# Altium PCB PV Refridgerator v0.1.2.PCBDOC (part 2 of 2)
Units mil, origin at the board's own origin, x right, y up, seen from the top; angles counter-clockwise.
Board outline 6000 x 6000 mil, 2 copper layers (Top Layer, Bottom Layer); 126 components, 96 nets, 356 pads, 106 vias.
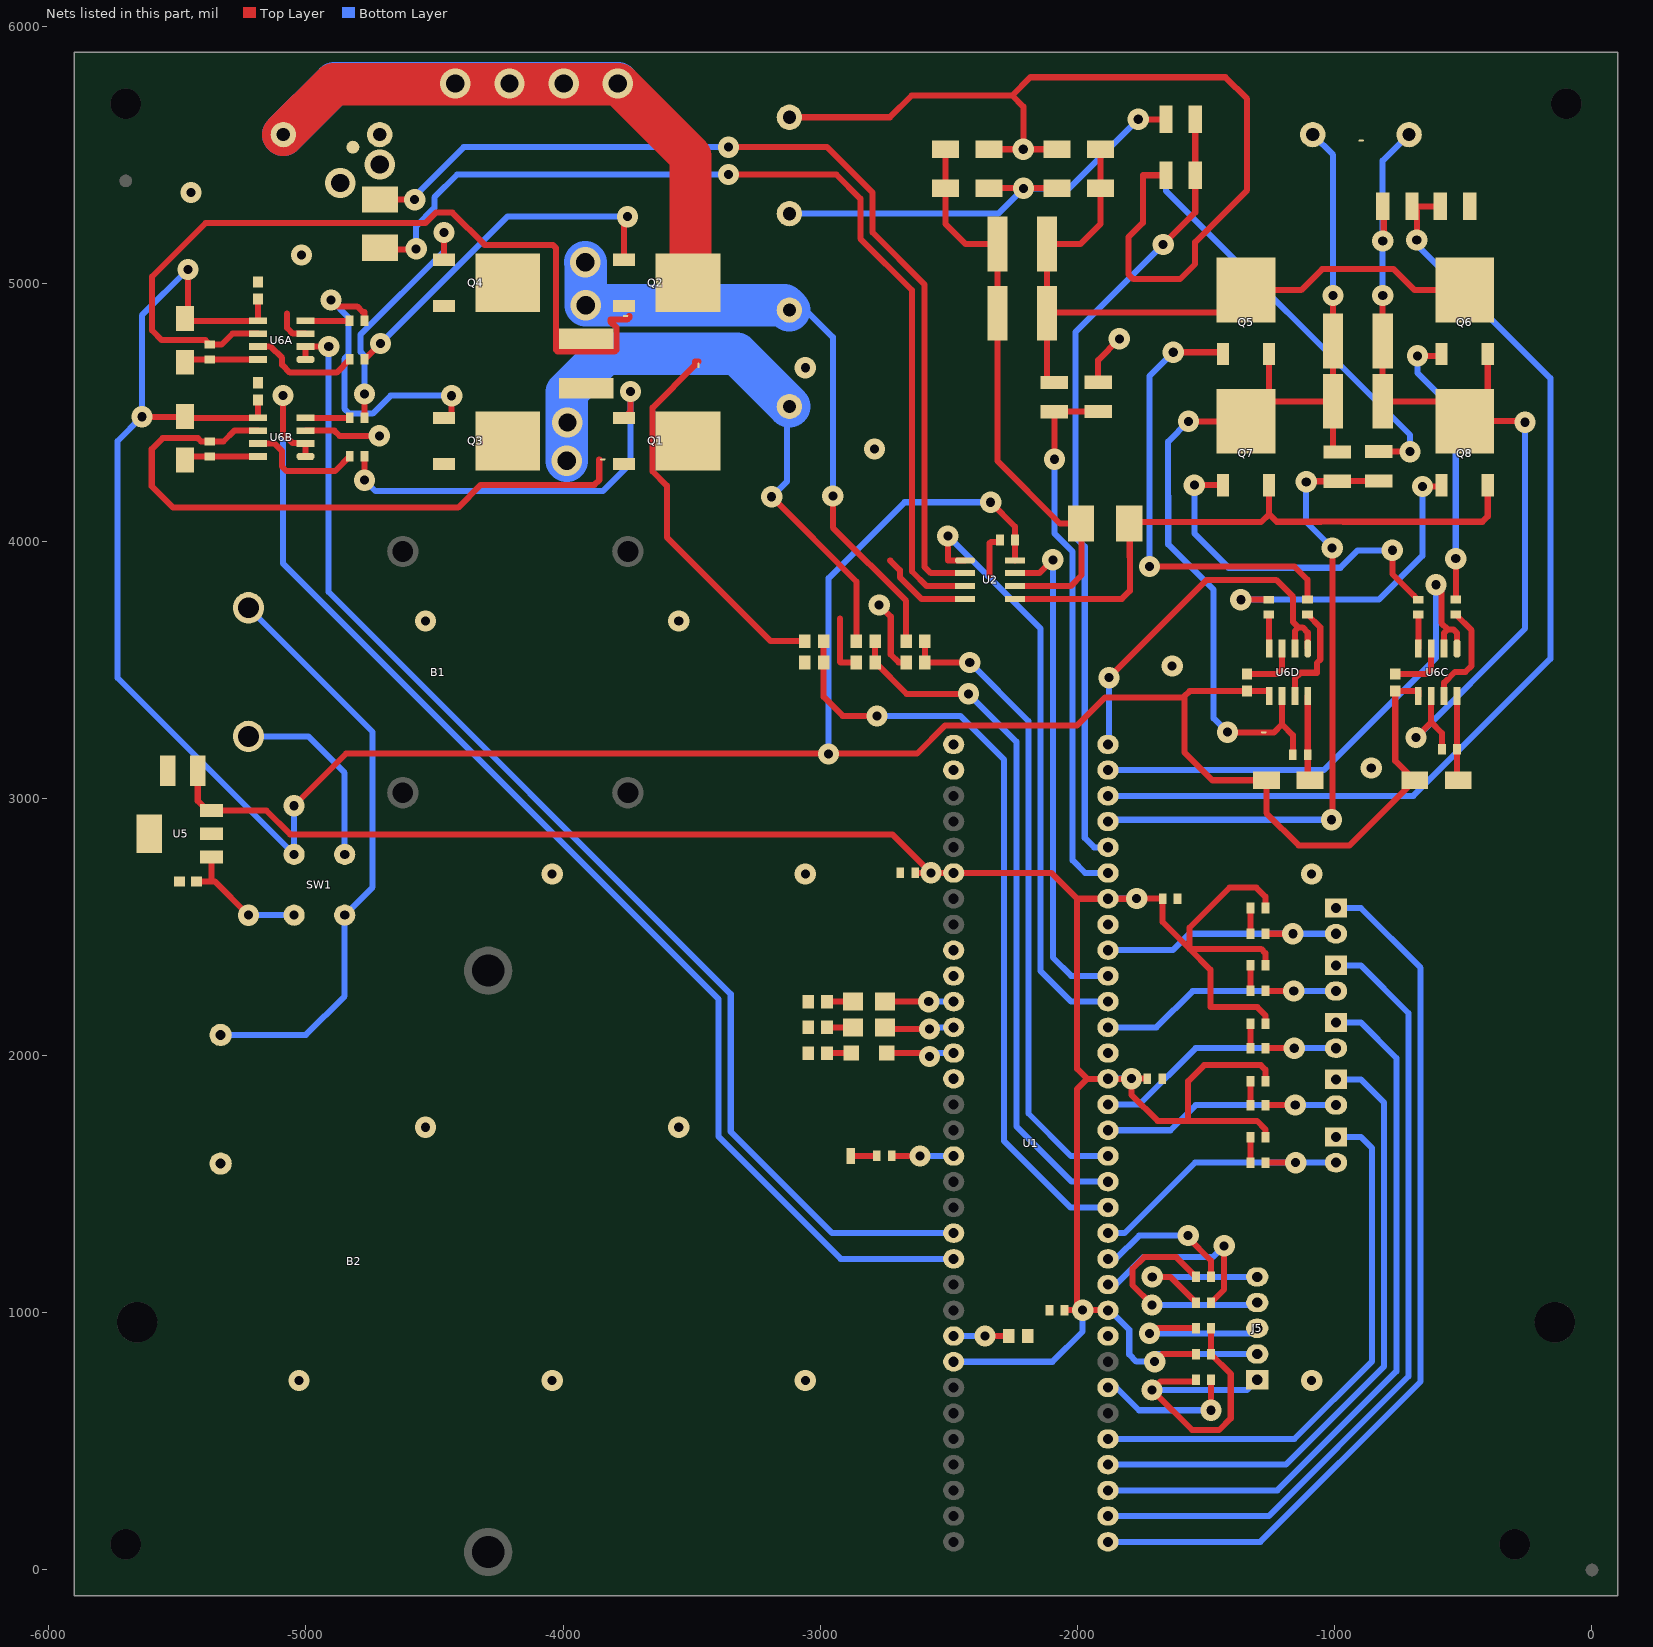
[diagram p2: the nets of this part, all layers, seen from the top]

## Part data (continued)
Q5 Q6 Q7 Q8: Current - Continuous Drain (Id) @ 25°C="7.4A (Tc)", Drain to Source Voltage (Vdss)=250V, Drive Voltage (Max Rds On,  Min Rds On)=10V, Input Capacitance (Ciss) (Max) @ Vds="700pF @ 25V", Manufacturer="Fairchild/ON Semiconductor", Manufacturer Part Number=FQD9N25TM, Operating Temperature="-55°C ~ 150°C (TJ)", Package / Case="TO-252-3, DPak (2 Leads + Tab), SC-63", Power Dissipation (Max)="2.5W (Ta), 55W (Tc)", Supplier Device Package=D-Pak, Supplier Part Number 1=FQD9N25TMCT-ND, Category="Discrete Semiconductor Products", ComponentLink1Description="Spec Sheet", ComponentLink1URL=https://www.fairchildsemi.com/datasheets/FQ/FQD9N25.pdf, FET Feature=-, FET Type=N-Channel, Gate Charge (Qg) (Max) @ Vgs="20nC @ 10V", Mounting Type="Surface Mount", Packaging="Cut Tape (CT)", Part Status=Active, Pricing 1="1=0.86, 10=0.766, 100=0.597, 500=0.49316, 1000=0.38934 (USD)", Rds On (Max) @ Id, Vgs="420 mOhm", RoHS="RoHS Compliant", Stock 1=4941, Supplier 1=Digi-Key, Technology="MOSFET (Metal Oxide)", Vgs (Max)=±30V, Vgs(th) (Max) @ Id="5V @ 250µA"
R2: Manufacturer=Yageo, Manufacturer Part Number=PR2512FKF070R003L, Operating Temperature="-55°C ~ 170°C", Package / Case="2512 (6432 Metric)", Power (Watts)=1W, Resistance (Ohms)=3mR, Supplier Device Package=2512, Supplier Part Number 1=311-0.003AGCT-ND, Temperature Coefficient=±100ppm/°C, Tolerance=±1%, Category=Resistors, ComponentLink1Description="Spec Sheet", ComponentLink1URL=http://www.yageo.com/NewPortal/yageodocoutput?fileName=/pdf/R-Chip/-PYu-PR_51_RoHS_Z_0.pdf, Composition="Thick Film", Failure Rate=-, Features="Current Sense", Height - Seated (Max)="0.041\" (1.03mm)", Number of Terminations=2, Packaging="Cut Tape (CT)", Part Status=Active, Pricing 1="1=0.65, 10=0.544, 25=0.466, 50=0.4196, 100=0.3652, 250=0.32632, 500=0.26416, 1000=0.21366 (USD)", RoHS="RoHS Compliant", Size / Dimension="0.252\" L x 0.126\" W (6.40mm x 3.20mm)", Stock 1=16866, Supplier 1=Digi-Key
R3: Manufacturer=Yageo, Manufacturer Part Number=RL2512FK-070R033L, Operating Temperature="-55°C ~ 155°C", Package / Case="2512 (6432 Metric)", Power (Watts)=1W, Resistance (Ohms)=33mR, Supplier Device Package=2512, Supplier Part Number 1=311-.033TCT-ND, Temperature Coefficient=±1200ppm/°C, Tolerance=±1%, Category=Resistors, ComponentLink1Description=http://www.yageo.com/documents/recent/PYu-RL_Group_521_RoHS_L%201.pdf, ComponentLink1URL=http://www.yageo.com/documents/recent/PYu-RL_Group_521_RoHS_L%201.pdf, Composition="Thick Film", Failure Rate=-, Features="Automotive AEC-Q200, Current Sense, Moisture Resistant", Height - Seated (Max)="0.026\" (0.65mm)", Number of Terminations=2, Packaging="Cut Tape (CT)", Part Status=Active, Pricing 1="1=0.61, 10=0.453, 25=0.3676, 50=0.3196, 100=0.2636, 250=0.229, 500=0.1864, 1000=0.14784 (USD)", RoHS="RoHS Compliant", Size / Dimension="0.250\" L x 0.126\" W (6.35mm x 3.20mm)", Stock 1=13739, Supplier 1=Digi-Key
R4: "Resistor", Manufacturer=Yageo, Manufacturer Part Number=RC0603FR-0710KL, Operating Temperature="-55°C ~ 155°C", Package / Case="0603 (1608 Metric)", Power (Watts)="0.1W, 1/10W", Resistance (Ohms)=10k, Supplier Device Package=0603, Supplier Part Number 1=311-10.0KHRCT-ND, Temperature Coefficient=±100ppm/°C, Tolerance=±1%, Category=Resistors, ComponentLink1Description=http://www.yageo.com/NewPortal/yageodocoutput?fileName=/pdf/R-Chip/PYu-RC_Group_51_RoHS_L_0.pdf, ComponentLink1URL=http://www.yageo.com/NewPortal/yageodocoutput?fileName=/pdf/R-Chip/PYu-RC_Group_51_RoHS_L_0.pdf, Composition="Thick Film", Features="Moisture Resistant", Height="0.022\" (0.55mm)", Number of Terminations=2, Packaging="Cut Tape (CT)", Pricing 1="1=0.1, 10=0.015, 25=0.0108, 100=0.006, 250=0.00456, 500=0.00364, 1000=0.00268, 2500=0.00233 (USD)", RoHS="RoHS Compliant", Size / Dimension="0.063\" L x 0.031\" W (1.60mm x 0.80mm)", Stock 1=5171799, Supplier 1=Digi-Key
R5 R6 R7 R19: "1/8W", Manufacturer=Yageo, Manufacturer Part Number=RC0603FR-07100RL, Operating Temperature="-55°C ~ 155°C", Package / Case="0603 (1608 Metric)", Power (Watts)="0.1W, 1/10W", Resistance (Ohms)=100R, Supplier Device Package=0603, Supplier Part Number 1=311-100HRCT-ND, Temperature Coefficient=±100ppm/°C, Tolerance=±1%, Category=Resistors, ComponentLink1Description=http://www.yageo.com/NewPortal/yageodocoutput?fileName=/pdf/R-Chip/PYu-RC_Group_51_RoHS_L_0.pdf, ComponentLink1URL=http://www.yageo.com/NewPortal/yageodocoutput?fileName=/pdf/R-Chip/PYu-RC_Group_51_RoHS_L_0.pdf, Composition="Thick Film", Features="Moisture Resistant", Height="0.022\" (0.55mm)", Number of Terminations=2, Packaging="Cut Tape (CT)", Pricing 1="1=0.1, 10=0.015, 25=0.0108, 100=0.006, 250=0.00456, 500=0.00364, 1000=0.00268, 2500=0.00233 (USD)", RoHS="RoHS Compliant", Size / Dimension="0.063\" L x 0.031\" W (1.60mm x 0.80mm)", Stock 1=2116183, Supplier 1=Digi-Key
R8 R9 R10: "1/8W", Manufacturer="Panasonic Electronic Components", Manufacturer P/N=ERJ-6ENF2550V, Package=0805, Package / Case="0805 (2012 Metric)", Power (Watts)="0.125W, 1/8W", Ptolerance=1%, Resistance (Ohms)=255R, Supplier Part Number 1=P255CCT-ND, Temperature Coefficient=±100ppm/°C, Tolerance=±1%, Category=Resistors, ComponentLink1Description="Spec Sheet", ComponentLink1URL=http://industrial.panasonic.com/www-cgi/jvcr13pz.cgi?E+PZ+3+AOA0002+ERJ6ENF2550V+7+WW, Composition="Thick Film", Features=-, Height="0.028\" (0.70mm)", Manufacturer Part Number=ERJ-6ENF2550V, Number of Terminations=2, Packaging="Cut Tape (CT)", Pricing 1="1=0.12, 50=0.0354, 100=0.027, 250=0.02, 500=0.01476, 1000=0.00985, 2500=0.00831 (CAD)", RoHS="RoHS Compliant", Size / Dimension="0.079\" L x 0.049\" W (2.00mm x 1.25mm)", Stock 1=94483, Supplier 1=Digi-Key, Supplier Device Package=0805, Technology=SMT, Vendor=Digi-Key, Vendor P/N=P255CCT-ND
R11A R11B R11C: "Resistor", Manufacturer=Yageo, Manufacturer Part Number=RC0805FR-071ML, Operating Temperature="-55°C ~ 155°C", Package / Case=0805, Power (Watts)="0.125W, 1/8W", Resistance (Ohms)=1M, Supplier Part Number 1=311-1.00MCRCT-ND, Temperature Coefficient=±100ppm/°C, Tolerance=±1%, Category=Resistors, ComponentLink1Description="Spec Sheet", ComponentLink1URL=http://www.yageo.com/NewPortal/yageodocoutput?fileName=/pdf/R-Chip/PYu-RC_Group_51_RoHS_L_4.pdf, Composition="Thick Film", Failure Rate=-, Features="Moisture Resistant", Height - Seated (Max)="0.024\" (0.60mm)", Number of Terminations=2, Packaging="Cut Tape (CT)", Part Status=Active, Pricing 1="1=0.1, 10=0.019, 25=0.0136, 50=0.0104, 100=0.0077, 250=0.00584, 500=0.00468, 1000=0.00345 (USD)", RoHS="RoHS Compliant", Size / Dimension="0.079\" L x 0.049\" W (2.00mm x 1.25mm)", Stock 1=1722700, Supplier 1=Digi-Key, Supplier Device Package=0805, Technology=SMT
R12A R12B R12C R12D R13A R13B R13C R13D: Manufacturer=Yageo, Manufacturer Part Number=RC0603FR-0730RL, Operating Temperature="-55°C ~ 155°C", Package / Case="0603 (1608 Metric)", Power (Watts)="0.1W, 1/10W", Resistance (Ohms)=30R, Supplier Device Package=0603, Supplier Part Number 1=311-30.0HRCT-ND, Temperature Coefficient=±100ppm/°C, Tolerance=±1%, Category=Resistors, ComponentLink1Description="Spec Sheet", ComponentLink1URL=http://www.yageo.com/NewPortal/yageodocoutput?fileName=/pdf/R-Chip/PYu-RC_Group_51_RoHS_L_4.pdf, Composition="Thick Film", Failure Rate=-, Features="Moisture Resistant", Height - Seated (Max)="0.022\" (0.55mm)", Number of Terminations=2, Packaging="Cut Tape (CT)", Part Status=Active, Pricing 1="1=0.1, 10=0.013, 25=0.0092, 50=0.007, 100=0.0052, 250=0.00396, 500=0.00316, 1000=0.00233 (USD)", RoHS="RoHS Compliant", Size / Dimension="0.063\" L x 0.031\" W (1.60mm x 0.80mm)", Stock 1=158658, Supplier 1=Digi-Key
R14A R14B R14C R14D: "Resistor", Manufacturer=Yageo, Manufacturer Part Number=RV1206FR-071ML, Operating Temperature="-55°C ~ 155°C", Package / Case="1206 (3216 Metric)", Power (Watts)="0.25W, 1/4W", Resistance (Ohms)=1M, Supplier Device Package=1206, Supplier Part Number 1=311-1MNICT-ND, Temperature Coefficient=±200ppm/°C, Tolerance=±1%, Category=Resistors, ComponentLink1Description=http://www.yageo.com/documents/recent/PYu-RV_51_RoHS_L_6.pdf, ComponentLink1URL=http://www.yageo.com/documents/recent/PYu-RV_51_RoHS_L_6.pdf, Composition="Thick Film", Failure Rate=-, Features="High Voltage, Moisture Resistant", Height - Seated (Max)="0.026\" (0.65mm)", Number of Terminations=2, Packaging="Cut Tape (CT)", Part Status=Active, Pricing 1="1=0.34, 10=0.289, 25=0.2104, 50=0.1526, 100=0.1131, 250=0.0868, 500=0.06838, 1000=0.04734 (USD)", RoHS="RoHS Compliant", Size / Dimension="0.122\" L x 0.063\" W (3.10mm x 1.60mm)", Stock 1=79790, Supplier 1=Digi-Key
R15A R15B R15C R15D: Manufacturer=Yageo, Manufacturer Part Number=RC1206FR-0715KL, Operating Temperature="-55°C ~ 155°C", Package / Case="1206 (3216 Metric)", Power (Watts)="0.25W, 1/4W", Resistance (Ohms)=15k, Supplier Device Package=1206, Supplier Part Number 1=311-15.0KFRCT-ND, Temperature Coefficient=±100ppm/°C, Tolerance=±1%, Category=Resistors, ComponentLink1Description=http://www.yageo.com/NewPortal/yageodocoutput?fileName=/pdf/R-Chip/PYu-RC_Group_51_RoHS_L_4.pdf, ComponentLink1URL=http://www.yageo.com/NewPortal/yageodocoutput?fileName=/pdf/R-Chip/PYu-RC_Group_51_RoHS_L_4.pdf, Composition="Thick Film", Failure Rate=-, Features="Moisture Resistant", Height - Seated (Max)="0.026\" (0.65mm)", Number of Terminations=2, Packaging="Cut Tape (CT)", Part Status=Active, Pricing 1="1=0.1, 10=0.029, 25=0.0212, 50=0.016, 100=0.0118, 250=0.009, 500=0.0072, 1000=0.0053 (USD)", RoHS="RoHS Compliant", Size / Dimension="0.122\" L x 0.063\" W (3.10mm x 1.60mm)", Stock 1=143517, Supplier 1=Digi-Key
R16A R16B R16C R16D R16E: "Resistor", Manufacturer=Yageo, Manufacturer Part Number=RT0603BRD077K5L, Operating Temperature="-55°C ~ 155°C", Package / Case="0603 (1608 Metric)", Power (Watts)="0.1W, 1/10W", Resistance (Ohms)=7.5k, Supplier Device Package=0603, Supplier Part Number 1=YAG2311CT-ND, Temperature Coefficient=±25ppm/°C, Tolerance=±0.1%, Category=Resistors, ComponentLink1Description="Spec Sheet", ComponentLink1URL=http://www.yageo.com/documents/recent/PYu-RT_1-to-0.05_RoHS_L_7.pdf, Composition="Thin Film", Failure Rate=-, Features="Moisture Resistant", Height - Seated (Max)="0.022\" (0.55mm)", Number of Terminations=2, Packaging="Cut Tape (CT)", Part Status=Active, Pricing 1="1=0.32, 10=0.269, 25=0.1952, 50=0.1416, 100=0.105, 250=0.0806, 500=0.0635, 1000=0.04396 (USD)", RoHS="RoHS Compliant", Size / Dimension="0.063\" L x 0.031\" W (1.60mm x 0.80mm)", Stock 1=15357, Supplier 1=Digi-Key, Technology=SMT
R17A R17B R17C R17D R17E: "Resistor", Manufacturer=Yageo, Manufacturer Part Number=RT0603BRD0720KL, Operating Temperature="-55°C ~ 155°C", Package / Case="0603 (1608 Metric)", Power (Watts)="0.1W, 1/10W", Resistance (Ohms)=20k, Supplier Device Package=0603, Supplier Part Number 1=YAG1582CT-ND, Temperature Coefficient=±25ppm/°C, Tolerance=±0.1%, Category=Resistors, ComponentLink1Description="Spec Sheet", ComponentLink1URL=http://www.yageo.com/documents/recent/PYu-RT_1-to-0.05_RoHS_L_7.pdf, Composition="Thin Film", Failure Rate=-, Features="Moisture Resistant", Height - Seated (Max)="0.022\" (0.55mm)", Number of Terminations=2, Packaging="Cut Tape (CT)", Part Status=Active, Pricing 1="1=0.35, 10=0.297, 25=0.216, 50=0.1566, 100=0.1161, 250=0.08912, 500=0.0702, 1000=0.0486 (USD)", RoHS="RoHS Compliant", Size / Dimension="0.063\" L x 0.031\" W (1.60mm x 0.80mm)", Stock 1=24543, Supplier 1=Digi-Key, Technology=SMT
R20A R20B R20C: Manufacturer=Yageo, Manufacturer Part Number=RC0805FR-0749K9L, Operating Temperature="-55°C ~ 155°C", Package / Case="0805 (2012 Metric)", Power (Watts)="0.125W, 1/8W", Resistance (Ohms)=49.9k, Supplier Device Package=0805, Supplier Part Number 1=311-49.9KCRCT-ND, Temperature Coefficient=±100ppm/°C, Tolerance=±1%, Category=Resistors, ComponentLink1Description=http://www.yageo.com/NewPortal/yageodocoutput?fileName=/pdf/R-Chip/PYu-RC_Group_51_RoHS_L_4.pdf, ComponentLink1URL=http://www.yageo.com/NewPortal/yageodocoutput?fileName=/pdf/R-Chip/PYu-RC_Group_51_RoHS_L_4.pdf, Composition="Thick Film", Failure Rate=-, Features="Moisture Resistant", Height - Seated (Max)="0.024\" (0.60mm)", Number of Terminations=2, Packaging="Cut Tape (CT)", Part Status=Active, Pricing 1="1=0.1, 10=0.019, 25=0.0136, 50=0.0104, 100=0.0077, 250=0.00584, 500=0.00468, 1000=0.00345 (USD)", RoHS="RoHS Compliant", Size / Dimension="0.079\" L x 0.049\" W (2.00mm x 1.25mm)", Stock 1=860512, Supplier 1=Digi-Key
RT1A RT1B RT1C RT1D RT1E: library part "Thermistor 10k Type J", "Resistor", B Value Tolerance=±1%, Manufacturer="Murata Electronics North America", Manufacturer Part Number=NXFT15XH103FA2B025, Operating Temperature="-40°C ~ 125°C", Package / Case=Bead, Power - Max=100mW, Resistance in Ohms @ 25°C=10k, Supplier Part Number 1=490-5628-ND, B0/50=-, B25/50=3380K, B25/75=-, B25/85=3434K, B25/100=3455K, Category="Sensors, Transducers", ComponentLink1Description="Spec Sheet", ComponentLink1URL=http://www.murata.com/~/media/webrenewal/support/library/catalog/products/thermistor/ntc/r44e.ashx, Length - Lead Wire=-, Mounting Type="Free Hanging", Packaging=Bulk, Part Status=Active, Pricing 1="1=0.91, 10=0.752, 25=0.6608, 50=0.549, 100=0.4676, 250=0.42692, 500=0.4066, 1000=0.35578, 2500=0.34053 (USD)", Resistance Tolerance=±1%, RoHS="RoHS Compliant", Stock 1=21226, Supplier 1=Digi-Key, Technology=THT
SW1: Color - Actuator/Cap=Red, Current Rating="100mA (DC)", Illumination Type, Color=-, Manufacturer=C&K, Manufacturer Part Number="PVA1 EE H1", Operating Temperature="-40°C ~ 85°C", Supplier Part Number 1=401-1132-ND, Voltage Rating - DC=32V, Actuator Type="Plunger for Cap", Category=Switches, Circuit=DPST, ComponentLink1Description="Spec Sheet", ComponentLink1URL=http://www.ckswitches.com/media/1343/pva.pdf, Electrical Life="100,000 Cycles", Features=-, Illumination Voltage (Nominal)=-, Ingress Protection=-, Mechanical Life=-, Mounting Type="Through Hole", Packaging=Bulk, Panel Cutout Dimensions=-, Part Status=Active, Pricing 1="1=1.26, 10=1.176, 25=1.12, 50=1.064, 100=1.036, 250=1.008, 500=0.952, 1000=0.896, 5000=0.756 (USD)", RoHS="RoHS Compliant", Stock 1=8248, Supplier 1=Digi-Key, Switch Function=Off-On, Termination Style="PC Pin", Type=Keyswitch, Voltage Rating - AC=-
TP3: Color=Natural, Manufacturer="TE Connectivity AMP Connectors", Manufacturer Part Number=RCU-0C, Supplier Part Number 1=A106145CT-ND, Category="Test and Measurement", ComponentLink1Description="Spec Sheet", ComponentLink1URL=http://www.te.com/commerce/DocumentDelivery/DDEController?Action=srchrtrv&DocNm=1773266&DocType=DS&DocLang=English, Material - Body=-, Material - Insulation="No Insulation", Mounting Type="Surface Mount", Packaging="Cut Tape (CT)", Part Status=Active, Plating=-, Pricing 1="1=0.31, 10=0.291, 25=0.248, 50=0.217, 100=0.2014, 250=0.1782, 500=0.17046, 1000=0.13947 (CAD)", RoHS="RoHS Compliant", Size / Dimension="0.063\" x 0.031\" x 0.045\" (1.60mm x 0.80mm x 1.15mm)", Stock 1=58926, Supplier 1=Digi-Key, Technology=SMT, Type="PC Test Point"
Transformer1: Current - Output (Max)="Parallel 10.8A, Series 5.4A", Manufacturer="Triad Magnetics", Manufacturer Part Number=VPS24-5400, Power - Max="130 VA", Supplier Part Number 1=237-1277-ND, Voltage - Isolation=4000Vrms, Voltage - Primary="115V, 230V", Voltage - Secondary (Full Load)="Parallel 12V, Series 24V", Category=Transformers, Center Tap=No, ComponentLink1Description="Spec Sheet", ComponentLink1URL=http://catalog.triadmagnetics.com/Asset/VPS24-5400.pdf, Height - Seated (Max)=85.85mm, Mounting Type="Chassis Mount", Part Status=Active, Pricing 1="1=27.01, 10=23.831, 25=23.0364, 50=20.6534, 100=19.8591 (USD)", Primary Winding(s)=Dual, RoHS="RoHS Compliant", Secondary Winding(s)=Dual, Size / Dimension="60.45mm L x 68.33mm W", Stock 1=223, Supplier 1=Digi-Key, Termination Style="Solder, Quick Connect", Type="Laminated Core"
U1: "General Purpose 16-Bit Flash Microcontroller, 256KB Flash, 16KB SRAM, 64-Pin TQFP, Industrial Temperature", Manufacturer="Microchip Technology", Manufacturer Part Number=PIC24FJ256GA106-I/PT, Operating Temperature="-40°C ~ 85°C", Package / Case=64-TQFP, Supplier Device Package="64-TQFP (10x10)", Supplier Part Number 1=PIC24FJ256GA106-I/PT-ND, Voltage - Supply (Vcc/Vdd)="2 V ~ 3.6 V", Category="Integrated Circuits (ICs)", ComponentLink1Description="Spec Sheet", ComponentLink1URL=http://www.microchip.com/mymicrochip/filehandler.aspx?ddocname=en534317, Connectivity="I²C, PMP, SPI, UART/USART", Core Processor=PIC, Core Size=16-Bit, Data Converters="A/D 16x10b", EEPROM Size=-, Number of I/O=53, Oscillator Type=Internal, Packaging=Tray, Peripherals="Brown-out Detect/Reset, LVD, POR, PWM, WDT", Pricing 1="1=7.45, 10=6.201, 25=5.6864, 100=5.1477 (CAD)", Program Memory Size="256KB (85.5K x 24)", Program Memory Type=FLASH, RAM Size="16K x 8", RoHS="RoHS Compliant", Speed=32MHz, Stock 1=6379, Supplier 1=Digi-Key, Technology=SMT
U2: Current - Input Bias=800µA, Current - Output / Channel=-, Current - Supply=1mA, Manufacturer="Maxim Integrated", Manufacturer Part Number=MAX4377FASA+, Operating Temperature="-40°C ~ 125°C", Package / Case="8-SOIC (0.154\", 3.90mm Width)", Supplier Device Package=8-SOIC, Supplier Part Number 1=MAX4377FASA+-ND, Voltage - Supply, Single/Dual (±)="3 V ~ 28 V", -3db Bandwidth=1.7MHz, Amplifier Type="Current Sense", Category="Integrated Circuits (ICs)", ComponentLink1Description="Spec Sheet", ComponentLink1URL=https://datasheets.maximintegrated.com/en/ds/MAX4376-MAX4378.pdf, Gain Bandwidth Product=-, Mounting Type="Surface Mount", Number of Circuits=2, Output Type=-, Packaging=Tube, Part Status=Active, Pricing 1="1=1.98, 10=1.881, 50=1.8742 (USD)", RoHS="RoHS Compliant", Slew Rate="10 V/µs", Stock 1=695, Supplier 1=Digi-Key, Voltage - Input Offset=-
U5: "500mA", Current - Limit (Min)=-, Manufacturer="Micrel Inc", Manufacturer Part Number="MIC5209-3.3YS TR", Operating Temperature="-40°C ~ 125°C", Package / Case="TO-261-4, TO-261AA", Supplier Device Package=SOT-223, Supplier Part Number 1=576-1274-1-ND, Voltage - Dropout (Typical)="0.35V @ 500mA", Voltage - Input="Up to 16V", Voltage - Output=3.3V, Category="Integrated Circuits (ICs)", ComponentLink1Description="Spec Sheet", ComponentLink1URL=http://www.micrel.com/_PDF/mic5209.pdf, Current - Output=500mA, Mounting Type="Surface Mount", Number of Regulators=1, Packaging="Cut Tape (CT)", Pricing 1="1=2.1, 10=1.871, 25=1.6516, 100=1.4864, 250=1.29364, 500=1.15602, 1000=0.9083 (CAD)", Regulator Topology="Positive Fixed", RoHS="RoHS Compliant", Stock 1=13773, Supplier 1=Digi-Key, Technology=SMT
U6A U6B U6C U6D: Current - Peak Output (Source, Sink)="1.9A, 2.3A", High Side Voltage - Max (Bootstrap)=600V, Logic Voltage - VIL, VIH="0.8V, 2.7V", Manufacturer="Infineon Technologies", Manufacturer Part Number=IR2181STRPBF, Operating Temperature="-40°C ~ 150°C (TJ)", Package / Case="8-SOIC (0.154\", 3.90mm Width)", Supplier Device Package=8-SOIC, Supplier Part Number 1=IR2181SPBFCT-ND, Voltage - Supply="10 V ~ 20 V", Category="Integrated Circuits (ICs)", Channel Type=Independent, ComponentLink1Description="Spec Sheet", ComponentLink1URL=http://www.irf.com/product-info/datasheets/data/ir2181.pdf, Driven Configuration=Half-Bridge, Gate Type="IGBT, N-Channel MOSFET", Input Type=Non-Inverting, Mounting Type="Surface Mount", Packaging="Cut Tape (CT)", Part Status=Active, Pricing 1="1=3.06, 10=2.75, 100=2.2535, 500=1.9184, 1000=1.61792 (USD)", Rise / Fall Time (Typ)="40ns, 20ns", RoHS="RoHS Compliant", Stock 1=2915, Supplier 1=Digi-Key
FID1 FID3: Technology=Mechanical

## Via types
v1: diameter 82.68, hole 35.43, Top Layer to Bottom Layer, 96 vias
v2: diameter 118.11, hole 70.87, Top Layer to Bottom Layer, 10 vias
